# Altium PCB ROBOT_PCB_test.PcbDoc (part 1 of 2) (continued)
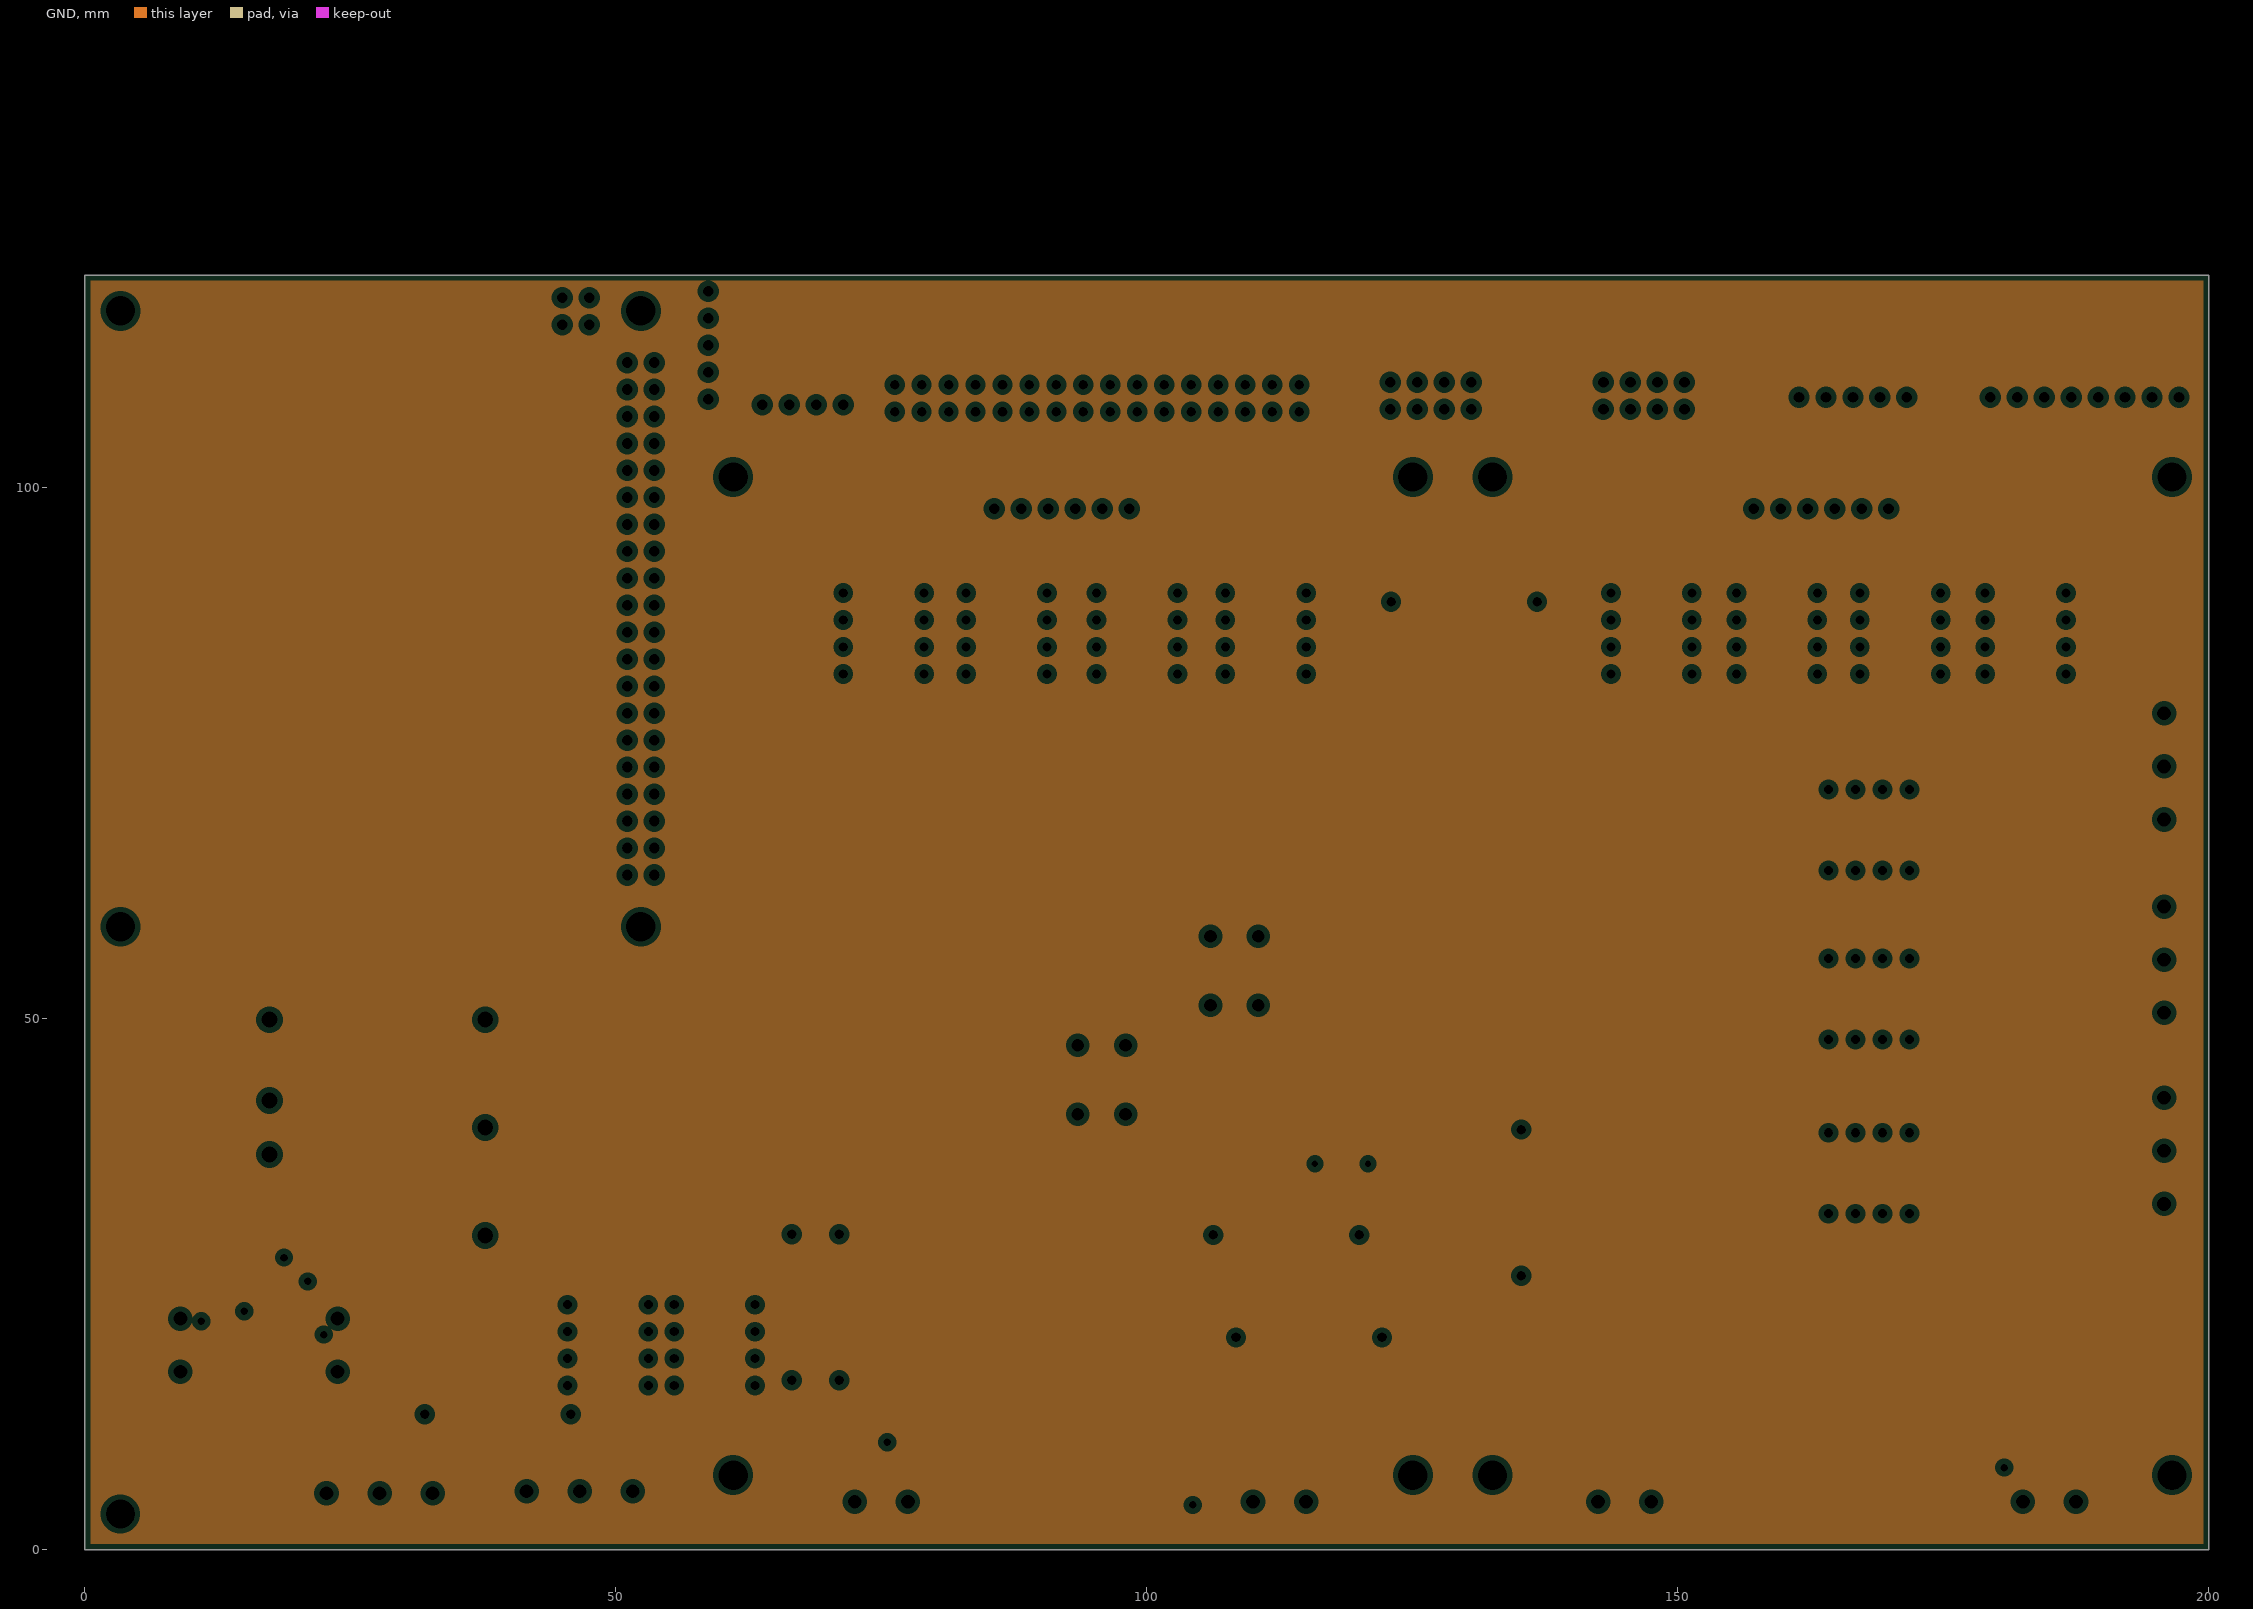
[diagram p3: GND, clearances drawn from the general rule]

## Layer stack, top to bottom
Top Solder: solder mask 0.0254, SM-001, Dk 3.5
Top Layer: signal copper 0.035
Dielectric 1: prepreg 0.193, FR4, Dk 4.6
Dielectric 2: prepreg 0.193, FR4, Dk 4.6
Dielectric 3: prepreg 0.193, FR4, Dk 4.6
POWER: plane copper 0.035
Dielectric 4: core 0.71, FR4, Dk 4.6
GND: plane copper 0.035
Dielectric 5: prepreg 0.193, FR4, Dk 4.6
Dielectric 6: prepreg 0.193, FR4, Dk 4.6
Dielectric 7: prepreg 0.193, FR4, Dk 4.6
Bottom Layer: signal copper 0.035
Bottom Solder: solder mask 0.0254, SM-001, Dk 3.5

## Board outline
0,0 0,120 200,120 200,0

## Design rules (kind name [scope] priority, off if disabled: settings)
Clearance [All] p1: gap=0.2 ignorepadtopadclearanceinfootprint=FALSE except(0: Arc-Hole Track-Hole SMDPad-Hole THPad-Hole Via-Hole Fill-Hole Poly-Hole Region-Hole Text-Hole)
PlaneClearance [All] p1: clearance=0.508
PlaneConnect [All] p1: planeconnectstyle=Relief reliefexpansion=0.508 reliefentries=4 reliefconductorwidth=0.254 reliefairgap=0.254
PolygonConnect [All] p1: connectstyle=Relief reliefconductorwidth=0.254 reliefentries=4 polygonreliefangle="90 Angle" airgapwidth=0.254
RoutingVias [All] p1: holewidth=0.711 width=1.27 viastyle="Through Hole" minholewidth=0.711 minwidth=1.27 maxholewidth=0.711 maxwidth=1.27
SolderMaskExpansion [All] p1: expansion=0.102
Width [All] p1: maxlimit=3 minlimit=0.254 preferedwidth=0.5 minimp=50.000000 maximp=50.000000 favimp=50.000000
28 further rules are at their usual default settings.

## Components (designator, comment, footprint, x,y, rotation, side; value= is the part's Value field where it differs from the comment)
BQ1 "=Value" HC-49S 118.325,36.325 r180 top
BQ2 "=Value" 32768SMD 120.4,48 r180 bottom
C1 "0,33 мк" C1206 10,10 r90 bottom
C2 "2200" C1206 3.5,10.75 r270 top
C3 "0,33 мк" C1206 4.25,21.75 r0 bottom
C4 "2200" C1206 7.5,10.75 r270 top
C5 "100 мк" Capacitor10x20 9,19.25 r270 top
C6 "0,1 мк" C1206 32.5,22 r0 bottom
C7 "0,1 мк" C1206 11.75,18.25 r270 bottom
C8 "100 мк" Capacitor10x20 23.8,19.25 r270 top
C9 "0,1 мк" C1206 19.4,32.275 r0 bottom
C10 "1000" R1206 27.1,37 r0 bottom
C11 "1000" R1206 27,42.25 r0 bottom
C12 "1 мк" C0805 40.5,33.5 r90 bottom
C13 "2200" C1206 33,29.58 r180 bottom
C14 "2200" C1206 32.7,49.7 r0 bottom
C15 "100 мк" "Case C" 44.75,35.75 r90 bottom
C16 "0,1 мк" C1206 151.25,27.9 r90 bottom
C17 "100 мк" "Case C" 58,32.6 r90 bottom
C18 "0,1 мк" C1206 87.75,25.75 r90 bottom
C19 "1 мк" C0805 65,40.075 r90 top
C20 "0,01 мк" C0603 137,46.25 r0 top
C21 "1 мк" C0805 128.25,28.975 r0 top
C22 "100 мкФ" "Case C" 83,43.6 r90 top
C23 "10 мк" "Case C" 78.335,63.28 r180 bottom
C24 "10 мк" "Case C" 99.15,63.5 r180 bottom
C25 "1 мк" C0805 126.475,35.55 r180 top
C26 "1 мк" C0805 78.25,41.7 r90 top
C27 "0,01 мк" C0603 126.375,38.075 r180 top
C28 "100 мк" "Case C" 72.75,74.25 r270 top
C29 "100 мк" "Case C" 92.5,73.5 r270 top
C30 "0,1 мк" C1206 108.25,54.5 r0 bottom
C31 "0,1 мк" C1206 115,97.25 r270 top
C32 "0,1 мк" C1206 185.75,98 r270 top
C33 "1000" C1206 75,15.25 r0 bottom
C34 "1000" C1206 110,16 r0 bottom
C35 "1000" C1206 142.75,15.5 r0 bottom
C36 "1000" C1206 183.06,15.401 r0 bottom
C37 "0,01 мк" C0603 140.05,41.5 r0 top
C38 "0,1 мк" C1206 146.107,50.495 r270 top
C39 "0,1 мк" C1206 116.75,58 r270 top
C40 "0,1 мк" C1206 96,9.5 r90 bottom
C41 "0,1 мк" C1206 167.75,8.75 r90 bottom
C42 "22" C0603 116.125,40.127 r180 top
C43 "22" C0603 120.35,40.25 r0 top
C44 "0,1 мк" C1206 108,45.995 r0 top
C45 "0,1 мк" C1206 131.95,46.25 r180 top
C46 "12" C0603 118.4,45.5 r180 bottom
C47 "12" C0603 121.95,45.5 r0 bottom
C48 "0,1 мк" C1206 108,42.875 r0 top
C49 "0,01 мк" C0603 130.7,35.65 r0 top
C50 "0,01 мк" C0603 131.25,38.775 r0 top
C51 "0,01 мк" C0603 131.25,41.5 r0 top
C52 "0,01 мк" C0603 131.25,43.75 r0 top
C53 "4,7 мк" C1206 131.4,53.5 r90 top
C54 "0,01 мк" C0603 140.05,43.75 r0 top
C55 "0,1 мк" C1206 125.75,81.75 r90 top
C56 "0,1 мк" C1206 126,69.5 r90 top
C57 "1000" C1206 192.525,19.5 r0 top
C58 "0,1 мк" C1206 139,69.5 r90 top
DA1 "LM358ADR" SOIC-8 32.75,21.75 r90 top
DA2 "6N136" 6N136 49.25,19.25 r180 top
DA3 "6N136" 6N136 59.31,19.25 r0 top
DA4 "Part Number" URB_LD-20WR3 27.54,39.74 r0 top locked
DA5 "OPA-2-8p" SOIC-8 87.55,25.705 r0 top value=LMV358IDR
DA6 "OPA-2-8p" SOIC-8 151.25,27.65 r0 top value=LMV358IDR
DA7 "=ManufacturerPartNumber" SOT-23-3 109.15,25.875 r0 top value=TL431IDBZR.215
DA8 "=ManufacturerPartNumber" SOT-223-3 72,41.5 r0 top
DA9 "6N136" 6N136 75.225,86.26 r0 top
DA10 "6N136" 6N136 86.805,86.26 r0 top
DA11 "6N136" 6N136 99.075,86.26 r0 top
DA12 "6N136" 6N136 111.205,86.26 r0 top
DA13 "6N136" 6N136 147.51,86.26 r0 top
DA14 "6N136" 6N136 159.33,86.26 r0 top
DA15 "6N136" 6N136 170.95,86.26 r0 top
DA16 "6N136" 6N136 182.76,86.26 r0 top
DA17 "LM2576S-5.0" TO-263-5 77.935,60.83 r270 top
DA18 "LM2576S-5.0" TO-263-5 97.395,60.55 r270 top
DA19 "ACS712ELCTR-05B-T" SOIC-8 75,10.075 r90 bottom
DA20 "ACS712ELCTR-05B-T" SOIC-8 112.5,10.075 r90 bottom
DA21 "ACS712ELCTR-05B-T" SOIC-8 145,10.075 r90 bottom
DA22 "ACS712ELCTR-05B-T" SOIC-8 184.8,10.075 r90 bottom
DA23 "OPA-2-8p" SOIC-8 96,9 r0 top value=LMV358IDR
DA24 "OPA-2-8p" SOIC-8 167.75,9 r0 top value=LMV358IDR
DA25 "6N136" 6N136 168.01,35.44 r90 top
DA26 "6N136" 6N136 168.01,51.84 r90 top
DA27 "6N136" 6N136 168.01,67.75 r90 top
DA28 "ACS712ELCTR-05B-T" SOIC-8 193.5,25.5 r270 top
DD1 "=ManufacturerPartNumber" SOIC-14 107.44,98.45 r270 top value=SN74HC00D
DD2 "=ManufacturerPartNumber" SOIC-14 178.55,99.25 r270 top value=SN74HC00D
DD3 "=ManufacturerPartNumber" SOIC-14 146.107,50.495 r180 top value=SN74HC00D
DD4 "Микроконтроллер" LQFP-64 120.85,48.245 r90 top locked
DD5 "MCP2551" SOIC-8 131.75,81.75 r0 top
DD6 "74LVC4245APW,118" TSSOP-24 132.325,67.425 r270 top
E1 "=ManufacturerPartNumber" E2 34.45,12.25 r270 bottom
E2 "=ManufacturerPartNumber" E2 57.4,81.5 r0 top
E3 "=ManufacturerPartNumber" E2 47.45,66 r0 top
E4 "=ManufacturerPartNumber" E2 47.6,68.6 r180 top
E5 "=ManufacturerPartNumber" E2 47.525,91.46 r0 top
E6 "=ManufacturerPartNumber" E2 47.525,86.166 r0 top
E7 "=ManufacturerPartNumber" E2 65.95,88.5 r180 top
E8 "=ManufacturerPartNumber" E2 65.75,94 r180 top
E9 "=ManufacturerPartNumber" E2 124.45,31.225 r0 top
E10 "=ManufacturerPartNumber" E2 119.05,32.498 r180 top
E11 "=ManufacturerPartNumber" E2 87.25,41 r180 top
HL1 "KP-2012SURCK" LED0805 55.25,50.495 r270 top
HL2 "KP-2012SGC" LED0805 55.5,43.1 r270 top
HL3 "KP-2012SYCK" LED0805 97.25,100.75 r0 top
HL4 "KP-2012SYCK" LED0805 169.25,101 r180 top
HL5 "KP-2012SYCK" LED0805 9.85,2.25 r180 top
K1 "*" E1(1mm) 42.75,24.8 r0 top
K2 "*" E1(1mm) 89.45,35.25 r0 top
K3 "*" E1(1mm) 135.1,21.375 r0 top
K4 "*" E1(1mm) 100.55,30.25 r0 top
K5 "*" E1(1mm) 60.25,46.995 r0 top
K6 "*" E1(1mm) 60.05,42.05 r0 top
K7 "*" E1(1mm) 62.5,27.5 r0 top
K8 "*" E1(1mm) 113.1,73.75 r270 top
K9 "*" E1(1mm) 113,71.25 r270 top
K10 "*" E1(1mm) 148.25,75.7 r270 top
K11 "*" E1(1mm) 148.08,72.5 r0 top
K12 "*" E1(1mm) 116,73.75 r0 top
K13 "*" E1(1mm) 116.25,71.25 r0 top
K14 "*" E1(1mm) 156.28,75.5 r0 top
K15 "*" E1(1mm) 156.28,72.75 r90 top
K16 "*" E1(1mm) 85.295,102.5 r0 top
K17 "*" E1(1mm) 157,103.25 r0 top
K18 "*" E1(1mm) 92.5,102.5 r0 top
K19 "*" E1(1mm) 2.5,23 r90 top
L1 "=Value" ACM7060-701-2PL-TL01 2.75,14.75 r90 bottom
L2 "4,7 мкГн" B82472G6472M000 17.75,20.25 r0 bottom
L3 "4,7 мкГн" B82472G6472M000 51.55,29.7 r0 bottom
L4 "18 мГн" R0603 127.3,32.425 r90 top
L5 "4,7 мкГн" B82472G6472M000 79.335,73.78 r180 top
L6 "4,7 мкГн" B82472G6472M000 99,73.5 r180 top
R1 "100 к" R1206 41.2,15.95 r0 top
R2 "20 к" С2-29В 32,12.75 r0 top
R3 "0" R1206 40.925,22.3 r0 bottom
R4 "30 к" R1206 33.135,16.25 r0 top
R5 "0" R1206 41.25,19.27 r0 top
R6 "1 к" R1206 61.75,75.25 r180 top
R7 "1 к" R1206 61.75,78.25 r180 top
R8 "1 к" R1206 61.8,81.418 r180 top
R9 "1 к" R1206 61.05,94 r180 top
R10 "2 к" R1206 41.25,22.25 r180 top
R11 "100 к" R1206 25,12.25 r0 top
R12 "100 к" R1206 15.88,13.5 r0 top
R13 "150" R1206 104.5,113.75 r270 bottom
R14 "150" R1206 101,113.9 r270 bottom
R15 "0" R1206 64.6,12.5 r0 top
R16 "8,25 к" С2-29В 66.55,15.95 r90 top
R17 "9,09 к" С2-29В 71.05,15.95 r90 top
R18 "10 к" R1206 80.25,23.5 r0 top
R19 "10 к" R1206 80.25,26.75 r0 top
R20 "100 к" R1206 83.25,20.52 r180 top
R21 "0" R1206 53,35.25 r0 bottom
R22 "100 к" R1206 80.25,29.5 r180 top
R23 "200" R1206 103.5,30.875 r270 top
R24 "2 к" R1206 85.75,32.25 r0 top
R25 "100 к" С2-29В 122.15,19.975 r180 top
R26 "2,2 к" R1206 114,26.125 r0 top
R27 "10 к" R1206 110,22.375 r180 top
R28 "10 к" R1206 15.75,2.25 r180 top
R29 "715" С2-29В 120,29.625 r180 top
R30 "1 к" R1206 49,41.75 r90 bottom
R31 "1 к" R1206 87.4,47.5 r90 top
R32 "1 к" R1206 78.75,98 r180 top
R33 "1 к" R1206 150.4,98 r0 top
R34 "1 к" R1206 73.75,85.5 r90 bottom
R35 "1 к" R1206 85.295,85.5 r90 bottom
R36 "1 к" R1206 97.5,85.5 r90 bottom
R37 "1 к" R1206 109.795,85.5 r270 bottom
R38 "1 к" R1206 146,85.5 r90 bottom
R39 "1 к" R1206 157.95,85.475 r90 bottom
R40 "1 к" R1206 169.29,85.5 r90 bottom
R41 "1 к" R1206 181.3,85.5 r270 bottom
R42 "10 к" R1206 76.75,85.5 r90 bottom
R43 "10 к" R1206 88.295,85.5 r90 bottom
R44 "10 к" R1206 100.5,85.5 r90 bottom
R45 "10 к" R1206 112.575,85.5 r90 bottom
R46 "10 к" R1206 149.01,85.5 r90 bottom
R47 "10 к" R1206 160.79,85.5 r90 bottom
R48 "10 к" R1206 172.125,85.475 r90 bottom
R49 "10 к" R1206 184.25,85.5 r90 bottom
R50 "10 к" R1206 137.75,49.5 r0 top
R51 "10 к" R1206 134.5,54.5 r90 top
R52 "23 к" С2-29В 135.25,25.8 r90 top
R53 "10 к" R1206 145.5,27.1 r90 top
R54 "10 к" R1206 110.5,47 r90 bottom
R55 "10 к" R1206 105,40 r180 top
R56 "2 к" R1206 94.25,24.5 r0 top
R57 "100 к" R1206 86.795,79 r180 top
R58 "10 к" R1206 171.58,4.25 r180 top
R59 "100 к" R1206 107,79 r180 top
R60 "10 к" R1206 83.75,13.5 r0 top
R61 "10 к" R1206 83.75,10.115 r0 top
R62 "10 к" R1206 104.125,8.95 r90 top
R63 "10 к" R1206 100.08,4.25 r180 top
R64 "10 к" R1206 154.75,13.5 r0 top
R65 "10 к" R1206 154.75,10.115 r0 top
R66 "10 к" R1206 175.75,8.75 r90 top
R67 "10 к" R1206 163.33,4.25 r180 top
R68 "100 к" R1206 52,41.75 r270 bottom
R69 "10 к" R1206 90,8.75 r270 top
R70 "10 к" R1206 91.25,4.25 r180 top
R71 "10 к" R1206 162,8.75 r270 top
R72 "10 к" R1206 90,14.75 r90 top
R73 "10 к" R1206 104,14.75 r90 top
R74 "10 к" R1206 162,14.75 r90 top
R75 "10 к" R1206 175.75,14.75 r90 top
R76 "2 к" R1206 94.5,17.3 r90 top
R77 "2 к" R1206 98.75,17.3 r90 top
R78 "2 к" R1206 166.25,16.75 r90 top
R79 "2 к" R1206 170.25,16.75 r90 top
R80 "100 к" R1206 157.75,62.5 r0 top
R81 "100 к" R1206 157.75,59.25 r0 top
R82 "100 к" R1206 157.75,56.25 r0 top
R83 "100 к" R1206 157.75,53 r0 top
R84 "100 к" R1206 157.75,49.46 r0 top
R85 "100 к" R1206 157.75,45.75 r0 top
R86 "2 к" R1206 156,34.35 r180 top
R87 "100 к" R1206 169.72,68.03 r90 bottom
R88 "100 к" R1206 169.72,35.41 r90 bottom
R89 "100 к" R1206 169.72,52.15 r90 bottom
R90 "1 к" R1206 166.28,35.41 r90 bottom
R91 "1 к" R1206 166.28,52.15 r90 bottom
R92 "1 к" R1206 166.28,68.03 r90 bottom
R93 "10 к" R1206 158,29.1 r180 top
R94 "10 к" R1206 152.25,23.35 r180 top
R95 "150" R1206 61.75,69.25 r0 top
R96 "150" R1206 61.75,72.25 r0 top
R97 "10 к" R1206 145.35,33.1 r90 top
R98 "10 к" R1206 158.225,25.425 r180 top
R99 "1 к" R1206 165.65,42.05 r180 top
R100 "10 к" R1206 172,42 r180 top
R101 "1 к" R1206 165.65,58.55 r180 top
R102 "10 к" R1206 172,58.5 r180 top
R103 "1 к" R1206 165.65,74.5 r180 top
R104 "10 к" R1206 172,74.5 r180 top
R105 "120" С2-29В 136.75,89.25 r180 top
R106 "4,7 к" R0805 80.135,112.8 r180 bottom
R107 "4,7 к" R0805 80.25,116.25 r180 bottom
SB1 "=Value" KLS7-TS6601-7.0-180 95.75,44.25 r180 top
SB2 "=Value" KLS7-TS6601-7.0-180 108.25,54.5 r0 top
VD1 "SM6T36CA" DO-214AA 24,8.75 r180 bottom
VD2 "=Value" B340A 16.1,10.75 r0 bottom
VD3 "=Value" B340A 16.1,7.25 r0 bottom
VD4 "SM6T36CA" DO-214AA 32.25,8.75 r0 bottom
VD5 "Suppressor" SOT-23-3 90.75,32.25 r180 top value=BZX84-C3V3
VD6 "=Value" B340A 85.65,71.9 r270 top
VD7 "=Value" B340A 105.25,71.58 r270 top
VD8 "Suppressor" SOT-23-3 99.25,24.5 r180 top value=BZX84-C3V3
VD9 "Suppressor" SOT-23-3 90.25,19.75 r0 top value=BZX84-C3V3
VD10 "Suppressor" SOT-23-3 103.5,19.75 r180 top value=BZX84-C3V3
VD11 "Suppressor" SOT-23-3 161.55,19.75 r0 top value=BZX84-C3V3
VD12 "Suppressor" SOT-23-3 175.5,19.75 r180 top value=BZX84-C3V3
VD13 "Suppressor" SOT-23-3 150.5,34.6 r0 top value=BZX84-C3V3
VD14 "=Value" B340A 190.85,60.5 r180 bottom
VD15 "=Value" B340A 195.85,76.25 r0 bottom
VD16 "=Value" B340A 191,42.55 r180 bottom
VT1 "IRFR024NTR" DPAK 181.74,35.13 r180 top
VT2 "IRFR024NTR" DPAK 181.74,51.85 r180 top
VT3 "IRFR024NTR" DPAK 181.74,67.75 r180 top
X1 "KLS2-300-5.00-03P-2S" KLS2-300-5.00-03P-2S 51.595,5.5 r180 top
X2 "KLS2-300-5.00-03P-2S" KLS2-300-5.00-03P-2S 32.75,5.3 r180 top
X3 "XY301RA-5.0-3P-12" XY301RA-5.0-3P-12 195.8,32.55 r90 top
X4 "XY301RA-5.0-3P-12" XY301RA-5.0-3P-12 195.8,50.55 r90 top
X5 "KLS2-301R-5.00-02P-2S" KLS2-301R-5.00-02P-2S 72.5,4.5 r0 top locked
X6 "KLS2-301R-5.00-02P-2S" KLS2-301R-5.00-02P-2S 110,4.5 r0 top locked
X7 "KLS2-301R-5.00-02P-2S" KLS2-301R-5.00-02P-2S 142.5,4.5 r0 top locked
X8 "KLS2-301R-5.00-02P-2S" KLS2-301R-5.00-02P-2S 182.5,4.5 r0 top locked
X9 "XY301RA-5.0-3P-12" XY301RA-5.0-3P-12 195.8,68.75 r90 top
XP1 "IDC-08MR" SAMTEC_TST-104-04-T-D-RA 143,107.385 r0 top locked
XP2 "IDC-08MR" SAMTEC_TST-104-04-T-D-RA 122.93,107.385 r0 top locked
XS1 "PBD-40" "RPI4B - duplicate" 27.85,97.65 r90 top locked
XS2 "PBD-30" PBD-32R 76.25,107.135 r0 top locked
XS3 "PBS-5" PBS-5 58.7,113.41 r90 top locked
XS4 "PBS-4" type-c 68.885,107.8 r180 top locked
XS5 "PBS-8" PBS-8 189.58,108.5 r180 top locked
XS6 "PBS-5" PBS-5 166.5,108.5 r180 top
XS7 "CON-6F driver" DRIVER 61.05,7 r0 top locked
XS8 "CON-6F driver" DRIVER 132.55,7 r0 top locked

## Footprints (in the part's own frame and the unit in brackets; to place one, negate y for a bottom-side part, rotate by r counter-clockwise, add the part's x,y. Pads: shape width x height; smd on the part's side, far side on the other; paste and mask are expansions set on the pad)
6N136 [mm]
  rect 1.35x1.35 hole 0.85: 1(-3.81,3.81)
  round 1.35 hole 0.85: 2(-3.81,1.27) 3(-3.81,-1.27) 4(-3.81,-3.81) 5(3.81,-3.81) 6(3.81,-1.27) 7(3.81,1.27) 8(3.81,3.81)
  silkscreen extent -4.04,-4.9 2.8,5.14, body extent -3.98,-4.83 3.94,4.83, height 5.08
32768SMD [mm] "32768SMD"
  rect 1.5x1.95 smd: 1(-1.425,0) 2(1.425,0)
  silkscreen extent -0.3,-0.88 0.3,0.87, body extent -1.75,-0.9 1.75,0.9, height 1
ACM7060-701-2PL-TL01 [mm]
  rect 2.5x1.5 smd: 1(-3.25,3) 2(-3.25,0) 3(3.25,0) 4(3.25,3)
  silkscreen extent -4.95,-1.22 4.92,4.2
B340A [mm] "(SMA) Low profile package"
  rrect40% 2.2x2 smd: A(2.1,0)
  rect 2.2x2 smd: C(-2.1,0)
  silkscreen extent -2.3,-1.5 2.3,1.5, body extent -2.6,-1.3 2.6,1.3, height 2.4
B82472G6472M000 [mm]
  rect 1.5x2.5 smd: 1(-3.2,0) 2(3.2,0)
  silkscreen extent -3.7,-3.7 3.7,3.7, body extent -3.65,-3.65 3.65,3.65, height 3.5
C0603 [mm] "1608(Metric)"
  rrect50% 1x1.2 smd: 1(-0.8,0) 2(0.8,0)
  silkscreen extent -1.6,-0.9 1.6,0.9, body extent -0.8,-0.5 0.8,0.5, height 1.1
C0805 [mm] "2012(Metric)"
  rrect50% 1.2x1.6 smd: 1(-0.95,0) 2(0.95,0)
  silkscreen extent -1.85,-1.1 1.85,1.1, body extent -1,-0.72 1,0.73, height 1.5
C1206 [mm] "3216(Metric)"
  rrect50% 1.4x2 smd: 1(-1.5,0) 2(1.5,0)
  silkscreen extent -2.5,-1.3 2.5,1.3, body extent -1.6,-0.9 1.6,0.9, height 1.5
Capacitor10x20 [mm]
  round 1.8 hole 1.3: n(2.5,0)
  rect 1.8x1.8 hole 1.3: p(-2.5,0)
  silkscreen extent -8,-5 5,5, body extent -5,-5 5,5, height 21
"Case C" [mm] "C6032-P"
  rrect40% 2.6x2.8 smd: n(2.6,0)
  rect 2.6x2.8 smd: p(-2.6,0)
  silkscreen extent -4.2,-1.7 4.2,1.7, body extent -3.15,-1.7 3.15,1.7, height 2.8
DO-214AA [mm] "(SMB) Low profile package"
  rrect40% 2.6x2.4 smd: 1(2.2,0)
  rect 2.6x2.4 smd: 2(-2.2,0)
  silkscreen extent -2.8,-2 2.8,2, body extent -2.83,-1.97 2.83,1.98, height 2.45
DPAK [mm] "КТ-89, TO252"
  rect 2.2x1 smd: 1(-4.45,2.28) 3(-4.45,-2.28)
  rect 7.2x6.8 smd: 2(1.95,0)
  silkscreen extent -4.7,-3.8 5.9,3.8, body extent -4.97,-3.29 4.73,3.29, height 2.3
DRIVER [mm]
  rect 1.5x1.5 hole 1: 1(24.6,91)
  round 1.5 hole 1: 2(27.14,91) 3(29.68,91) 4(32.22,91) 5(34.76,91) 6(37.3,91)
  round 5.5 hole 2.75: S4(0,0) S4(0,94) S4(64,0) S4(64,94)
  silkscreen extent 22.33,89.73 38.57,92.27, body extent 23.34,89.71 38.58,92.24, height 8.6
E1(1mm) [mm]
  round 1 smd: 1(0,0)
  silkscreen extent -0.8,-0.8 0.8,0.8
E2 [mm] "Перемычка"
  rect 0.4x1.2 smd mask+0.1: 1(-0.35,0) 2(0.35,0)
  Top Layer region: -0.15,0.6 -0.7,0.6 -0.886,0.326 -0.953,0.002 -0.891,-0.323 -0.709,-0.6 -0.7,-0.6 -0.15,-0.6
  Top Layer region: 0.15,-0.6 0.7,-0.6 0.923,-0.221 0.926,0.218 0.709,0.6 0.7,0.6 0.15,0.6
  silkscreen extent -1.32,-0.9 1.32,0.9
HC-49S [mm] "HC49 Short Through-hole Mount Footprint"
  round 1.6 hole 0.6: 1(-2.5,0) 3(2.5,0)
  silkscreen extent -5.75,-2.65 5.75,2.65, body extent -5.68,-2.3 5.68,2.35, height 5
KLS2-300-5.00-03P-2S [mm]
  rect 2.4x2.4 / inner round 2.4 / far side rect 2.4x2.4 hole 1.3: 1(0,0)
  round 2.4 hole 1.3: 2(5,0) 3(10,0)
  silkscreen extent -2.97,-5.1 13.2,4.4, body extent -2.6,-4.8 13,4.2, height 12.6
KLS2-301R-5.00-02P-2S [mm]
  round 1.8 hole 1.3: 1(0,0) 2(5,0)
  silkscreen extent -3.15,-2.9 7.5,7.1, body extent -2.62,-3.02 7.62,7.22, height 7.7
KLS7-TS6601-7.0-180 [mm]
  round 1.8 hole 1.2: 1(-2.25,3.25) 1(-2.25,-3.25) 2(2.25,3.25) 2(2.25,-3.25)
  silkscreen extent -3,-2 3,2, body extent -3,-3.75 3,3.75, height 7
LED0805 [mm]
  rect 1.1x1.1 smd: a(-1.1,0) c(1.1,0)
  silkscreen extent -2,-0.9 2,0.9, body extent -1,-0.62 1,0.63, height 0.73
LQFP-64 [mm] "Thin QFP, 64-Leads, Body 10x10mm, Pitch 0.5mm, IPC Medium Density"
  rect 1.4x0.42 smd mask+0.06: 1(-5.75,3.75)
  rrect50% 1.4x0.28 smd mask+0.06: 2(-5.75,3.25) 3(-5.75,2.75) 4(-5.75,2.25) 5(-5.75,1.75) 6(-5.75,1.25) 7(-5.75,0.75) 8(-5.75,0.25) 9(-5.75,-0.25) 10(-5.75,-0.75) 11(-5.75,-1.25) 12(-5.75,-1.75) 13(-5.75,-2.25) 14(-5.75,-2.75) 15(-5.75,-3.25) 16(-5.75,-3.75) 33(5.75,-3.75) 34(5.75,-3.25) 35(5.75,-2.75) 36(5.75,-2.25) 37(5.75,-1.75) 38(5.75,-1.25) 39(5.75,-0.75) 40(5.75,-0.25) 41(5.75,0.25) 42(5.75,0.75) 43(5.75,1.25) 44(5.75,1.75) 45(5.75,2.25) 46(5.75,2.75) 47(5.75,3.25) 48(5.75,3.75)
  rrect50% 0.28x1.4 smd mask+0.06: 17(-3.75,-5.75) 18(-3.25,-5.75) 19(-2.75,-5.75) 20(-2.25,-5.75) 21(-1.75,-5.75) 22(-1.25,-5.75) 23(-0.75,-5.75) 24(-0.25,-5.75) 25(0.25,-5.75) 26(0.75,-5.75) 27(1.25,-5.75) 28(1.75,-5.75) 29(2.25,-5.75) 30(2.75,-5.75) 31(3.25,-5.75) 32(3.75,-5.75) 49(3.75,5.75) 50(3.25,5.75) 51(2.75,5.75) 52(2.25,5.75) 53(1.75,5.75) 54(1.25,5.75) 55(0.75,5.75) 56(0.25,5.75) 57(-0.25,5.75) 58(-0.75,5.75) 59(-1.25,5.75) 60(-1.75,5.75) 61(-2.25,5.75) 62(-2.75,5.75) 63(-3.25,5.75) 64(-3.75,5.75)
  silkscreen extent -4.8,-4.8 4.8,4.8, body extent -6,-6 6,6, height 1.6
PBD-32R [mm] "Connector; Header; 3x2 Position"
  rect 1.5x1.5 hole 0.9: 1(0,0)
  round 1.5 hole 0.9: 2(0,2.54) 3(2.54,0) 4(2.54,2.54) 5(5.08,0) 6(5.08,2.54) 7(7.62,0) 8(7.62,2.54) 9(10.16,0) 10(10.16,2.54) 11(12.7,0) 12(12.7,2.54) 13(15.24,0) 14(15.24,2.54) 15(17.78,0) 16(17.78,2.54) 17(20.32,0) 18(20.32,2.54) 19(22.86,0) 20(22.86,2.54) 21(25.4,0) 22(25.4,2.54) 23(27.94,0) 24(27.94,2.54) 25(30.48,0) 26(30.48,2.54) 27(33.02,0) 28(33.02,2.54) 29(35.56,0) 30(35.56,2.54) 31(38.1,0) 32(38.1,2.54)
  silkscreen extent -1.27,-1.27 39.37,12.7, body extent -1.27,-0.3 39.37,12.7, height 5
PBS-5 [mm]
  rect 1.5x1.5 hole 1: 1(-5.08,0)
  round 1.5 hole 1: 2(-2.54,0) 3(0,0) 4(2.54,0) 5(5.08,0)
  silkscreen extent -6.35,-1.27 6.35,1.27, body extent -6.35,-1.29 6.35,1.25, height 8.5
PBS-8 [mm]
  rect 1.5x1.5 hole 1: 1(-7.62,0)
  round 1.5 hole 1: 2(-5.08,0) 3(-2.54,0) 4(0,0) 5(2.54,0) 6(5.08,0) 7(7.62,0) 8(10.16,0)
  silkscreen extent -8.89,-1.27 11.53,1.27, body extent -8.89,-1.27 11.43,1.27, height 8.6
R0603 [mm] "1608(Metric)"
  rrect50% 1x1.2 smd: 1(-0.8,0) 2(0.8,0)
  silkscreen extent -1.6,-0.9 1.6,0.9, body extent -0.83,-0.5 0.83,0.5, height 0.4
R0805 [mm] "2012(Metric)"
  rrect50% 1.2x1.6 smd: 1(-0.95,0) 2(0.95,0)
  silkscreen extent -1.85,-1.1 1.85,1.1, body extent -1.03,-0.72 1.03,0.73, height 0.45
R1206 [mm] "3216M"
  rrect50% 1.4x1.8 smd: 1(-1.5,0) 2(1.5,0)
  silkscreen extent -2.5,-1.2 2.5,1.2, body extent -1.63,-0.9 1.63,0.9, height 0.5
"RPI4B - duplicate" [mil]
  rect 60x60 / inner round 60 / far side rect 60x60 hole 40: 1(-1343.7,-914.57)
  round 60 hole 40: 2(-1343.7,-1014.57) 3(-1243.7,-914.57) 4(-1243.7,-1014.57) 5(-1143.7,-914.57) 6(-1143.7,-1014.57) 7(-1043.7,-914.57) 8(-1043.7,-1014.57) 9(-943.7,-914.57) 10(-943.7,-1014.57) 11(-843.7,-914.57) 12(-843.7,-1014.57) 13(-743.7,-914.57) 14(-743.7,-1014.57) 15(-643.7,-914.57) 16(-643.7,-1014.57) 17(-543.7,-914.57) 18(-543.7,-1014.57) 19(-443.7,-914.57) 20(-443.7,-1014.57) 21(-343.7,-914.57) 22(-343.7,-1014.57) 23(-243.7,-914.57) 24(-243.7,-1014.57) 25(-143.7,-914.57) 26(-143.7,-1014.57) 27(-43.7,-914.57) 28(-43.7,-1014.57) 29(56.3,-914.57) 30(56.3,-1014.57) 31(156.3,-914.57) 32(156.3,-1014.57) 33(256.3,-914.57) 34(256.3,-1014.57) 35(356.3,-914.57) 36(356.3,-1014.57) 37(456.3,-914.57) 38(456.3,-1014.57) 39(556.3,-914.57) 40(556.3,-1014.57) 41(796.46,-673.5) 42(796.46,-773.5) 43(696.46,-673.5) 44(696.46,-773.5)
  round 216.54 hole 108.27: S1(-1535.43,964.57) S2(748.03,964.57) S3(748.03,-964.57) S4(-1535.43,-964.57)
  silkscreen extent -1717,-1102 1673,1102, body extent -1394,-1065 606,-865, height 343
SAMTEC_TST-104-04-T-D-RA [mm]
  rect 1.37x1.37 hole 1.02: 1(0,0)
  round 1.37 hole 1.02: 2(0,2.54) 3(2.54,0) 4(2.54,2.54) 5(5.08,0) 6(5.08,2.54) 7(7.62,0) 8(7.62,2.54)
  silkscreen extent -5.83,-0.1 12.7,12.32, body extent -5.09,-0.33 12.69,12.31, height 9.3
SOIC-8 [mm] "4320.8-А Small Outline; 8 Leads; Body Width 3.9 mm; Pitch 1.27 mm"
  rect 1.6x0.9 smd: 1(-2.8,1.905)
  rrect50% 1.6x0.6 smd: 2(-2.8,0.635) 3(-2.8,-0.635) 4(-2.8,-1.905) 5(2.8,-1.905) 6(2.8,-0.635) 7(2.8,0.635) 8(2.8,1.905)
  silkscreen extent -3,-2.5 1.7,3.4, body extent -3.1,-2.5 3.1,2.5, height 1.73
SOIC-14 [mm] "JEDEC MS-012"
  rect 1.6x0.9 smd: 1(-2.8,3.81)
  rrect50% 1.6x0.6 smd: 2(-2.8,2.54) 3(-2.8,1.27) 4(-2.8,0) 5(-2.8,-1.27) 6(-2.8,-2.54) 7(-2.8,-3.81) 8(2.8,-3.81) 9(2.8,-2.54) 10(2.8,-1.27) 11(2.8,0) 12(2.8,1.27) 13(2.8,2.54) 14(2.8,3.81)
  silkscreen extent -3,-4.4 1.7,5.3, body extent -3.1,-4.4 3.1,4.4, height 1.73
SOT-23-3 [mm] "TO-236, SOT-346, SC59"
  rect 1.2x0.6 smd: 1(-1.3,0.95)
  rrect50% 1.2x0.6 smd: 2(-1.3,-0.95) 3(1.3,0)
  silkscreen extent -0.8,-1.6 0.8,1.6, body extent -1.17,-1.46 1.17,1.46, height 1
SOT-223-3 [mm]
  rect 2.2x1.2 smd: 1(-3.1,2.3)
  rrect50% 2.2x1.2 smd: 2(-3.1,0) 3(-3.1,-2.3)
  rrect40% 2.2x3.5 smd: 2(3.1,0)
  silkscreen extent -1.7,-3 1.7,3.09, body extent -3.5,-3.25 3.5,3.25, height 1.83
TO-263-5 [mm] "D2-PAK, 6-Pads, Body 8,9x9,9mm (max), IPC Low Density"
  rect 3.6x1.15 smd: 1(-6.45,3.4) 2(-6.45,1.7) 3(-6.45,0) 4(-6.45,-1.7) 5(-6.45,-3.4)
  rect 8.1x10.15 smd paste-5: 6(4.2,0)
  silkscreen extent -6.6,-4.95 -0.25,4.95, body extent -7.31,-5.08 7.33,5.08, height 4.57
TSSOP-24 [mm]
  rect 1.6x0.5 smd mask+0.08: 1(-2.8,3.575)
  rrect50% 1.6x0.35 smd mask+0.08: 2(-2.8,2.925) 3(-2.8,2.275) 4(-2.8,1.625) 5(-2.8,0.975) 6(-2.8,0.325) 7(-2.8,-0.325) 8(-2.8,-0.975) 9(-2.8,-1.625) 10(-2.8,-2.275) 11(-2.8,-2.925) 12(-2.8,-3.575) 13(2.8,-3.575) 14(2.8,-2.925) 15(2.8,-2.275) 16(2.8,-1.625) 17(2.8,-0.975) 18(2.8,-0.325) 19(2.8,0.325) 20(2.8,0.975) 21(2.8,1.625) 22(2.8,2.275) 23(2.8,2.925) 24(2.8,3.575)
  silkscreen extent -2.9,-3.95 1.7,4.65, body extent -3.3,-3.95 3.3,3.95, height 1.18
type-c [mm]
  rect 1.5x1.5 hole 1: 1(-2.54,0)
  round 1.5 hole 1: 2(0,0) 3(2.54,0) 4(5.08,0)
  silkscreen extent -3.81,-12 6.4,2.58
URB_LD-20WR3 [mm]
  round 3 hole 1.5: 1(-10.16,10.16) 2(-10.16,2.54) 3(-10.16,-2.54) 4(10.16,-10.16) 5(10.16,0) 6(10.16,10.16)
  silkscreen extent -25.95,-13.35 25.95,13.35, body extent -25.4,-12.7 25.4,12.7, height 12
XY301RA-5.0-3P-12 [mm]
  round 1.8 hole 1.3: 1(0,0) 2(5,0) 3(10,0)
  silkscreen extent -3.15,-2.9 12.53,7.1, body extent -2.62,-3.02 12.47,7.22, height 7.7
С2-29В [mm]
  round 1.4 hole 0.9: 1(0,0) 2(13.75,0)
  silkscreen extent 1.38,-1.7 12.37,1.7, body extent -0.3,-1.75 14.05,1.75, height 4.5